# Altium PCB cheriot-test.PcbDoc (part 2 of 10) (continued)
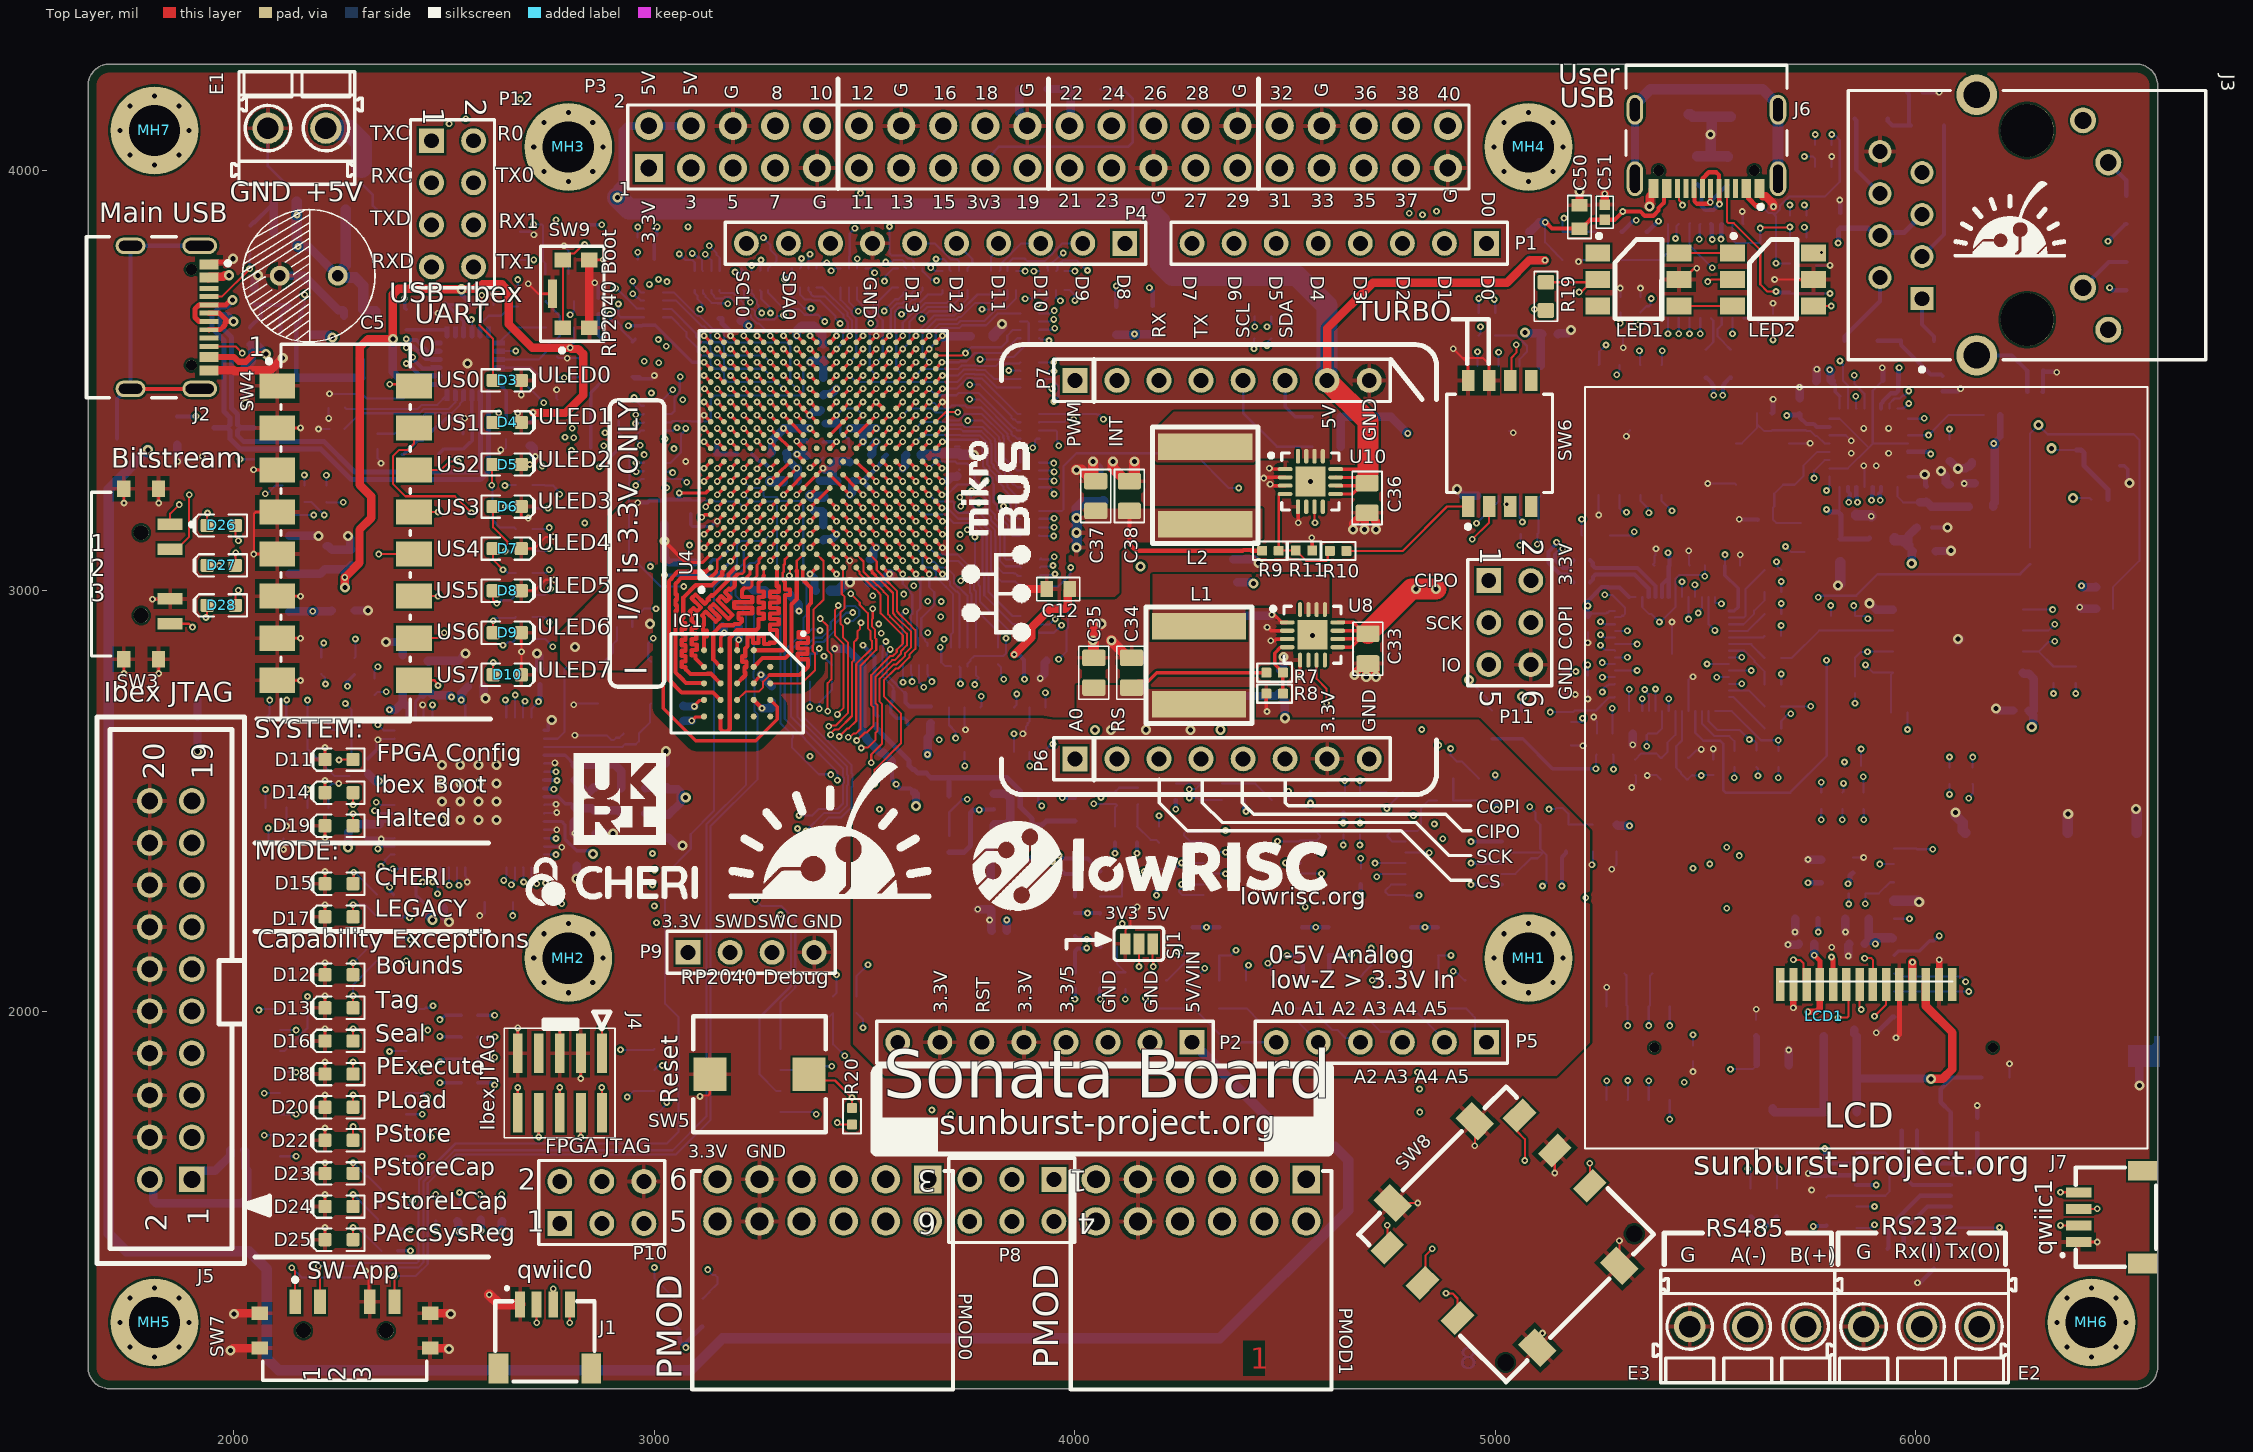
[diagram p0: Top Layer view]
## Footprints (in the part's own frame and the unit in brackets; to place one, negate y for a bottom-side part, rotate by r counter-clockwise, add the part's x,y. Pads: shape width x height; smd on the part's side, far side on the other; paste and mask are expansions set on the pad) (continued)
SJ_3S_NC12 [mil] "3-Way Solder Jumper, pads 1-2 closed"
  rect 25x50 smd: 1(-32.43,0) 2(0,0)
  rect 25x50 smd paste-393.7: 3(32.44,0)
  silkscreen extent -60,-39 59,39
SM04B-SRSS-TB(LFSN) [mm]
  rect 0.6x1.55 smd: 1(1.5,4.661) 2(2.5,4.661) 3(3.5,4.661) 4(4.5,4.661)
  rect 1.2x1.8 smd: 5(0.2,0.786) 6(5.8,0.786)
  silkscreen extent 0,0 6,5.7, body extent 0,0.28 6,5.23, height 2.97
SOIC8_NARROW [mm] "SOIC, 8-Leads, Body 5x4mm, Pitch 1.27mm, IPC Low Density"
  rrect15% 1.65x0.65 smd: 1(-2.825,1.905) 2(-2.825,0.635) 3(-2.825,-0.635) 4(-2.825,-1.905) 5(2.825,-1.905) 6(2.825,-0.635) 7(2.825,0.635) 8(2.825,1.905)
  silkscreen extent -2.95,-2.5 1.6,2.91, body extent -3,-2.45 3,2.45, height 1.63
SOT23-5P95_285X145L45X40 [mm] "Small Outline Transistor (SOT23), 0.95 mm pitch; 5 pin, 3.00 mm L X 1.60 mm W X 1.45 mm H body"
  rrect50% 0.6x1.05 smd: 1(-0.95,-1.35) 2(0,-1.35) 3(0.95,-1.35) 4(0.95,1.35) 5(-0.95,1.35)
  silkscreen extent -1.55,-0.85 1.55,0.85, body extent -1.5,-1.43 1.5,1.43, height 1.45
SOT95P237X112-3N [mm] "SOT23, 3-Leads, Body 2.92x2.37mm, Pitch 0.95mm, IPC Medium Density"
  rect 1x0.6 smd: 1(-1.2,0.95) 2(-1.2,-0.95) 3(1.2,0)
  silkscreen extent -1.32,-1.5 0.7,1.92, body extent -1.32,-1.52 1.32,1.52, height 1.12
SOT95P245X110-3M [mm] "SOT23, 3-Leads, Body 2.90x2.45mm, Pitch 0.95mm, IPC Low Density"
  rect 1.2x0.65 smd: 1(-1.3,0.95) 2(-1.3,-0.95) 3(1.3,0)
  silkscreen extent -1.42,-1.5 0.7,1.95, body extent -1.3,-1.5 1.3,1.5, height 1.1
SOT95P280X145-6N [mm] "SOT23, 6-Leads, Body 2.90x2.80mm, Pitch 0.95mm, IPC Medium Density"
  rect 1x0.6 smd: 1(-1.35,0.95) 2(-1.35,0) 3(-1.35,-0.95) 4(1.35,-0.95) 5(1.35,0) 6(1.35,0.95)
  silkscreen extent -1.47,-1.5 0.45,1.93, body extent -1.45,-1.5 1.45,1.5, height 1.45
SOT143B [mm] "SOT143, 4-Leads, Body 2.92x2.37mm, Pitch 1.90mm, IPC Medium Density"
  rect 1x1 smd: 1(-1.2,0.75)
  rect 1x0.6 smd: 2(-1.2,-0.95) 3(1.2,-0.95) 4(1.2,0.95)
  silkscreen extent -1.3,-1.5 0.7,1.65, body extent -1.18,-1.52 1.18,1.52, height 1.2
SOT-223 [mm] "SOT223, 4-Leads, Body 6.50x7.00mm (avg), Pitch 2.30mm, IPC Medium Density"
  rect 2.15x1 smd: 1(-2.925,2.3) 2(-2.925,0) 3(-2.925,-2.3)
  rect 2.15x3.25 smd: 4(2.925,0)
  silkscreen extent -3.05,-3.35 1.55,3.47, body extent -3.5,-3.35 3.5,3.35, height 1.8
TSSOP-ST14_M [mm] "TSOP, 14-Leads, Body 5x4.4mm, Pitch 0.65mm, IPC Low Density"
  oval 2x0.35 smd: 1(-2.9,1.95) 2(-2.9,1.3) 3(-2.9,0.65) 4(-2.9,0) 5(-2.9,-0.65) 6(-2.9,-1.3) 7(-2.9,-1.95) 8(2.9,-1.95) 9(2.9,-1.3) 10(2.9,-0.65) 11(2.9,0) 12(2.9,0.65) 13(2.9,1.3) 14(2.9,1.95)
  silkscreen extent -3.02,-2.55 1.5,2.8, body extent -2.25,-2.55 2.25,2.55, height 1.2
WS2813B_5x5 [mm]
  rect 1.5x1 smd: 1(-2.45,1.6) 2(-2.45,0) 3(-2.45,-1.6) 4(2.45,-1.6) 5(2.45,0) 6(2.45,1.6)
  silkscreen extent -2.5,-2.39 1.44,2.75
WSON68_Micron [mm]
  rect 1.061x0.392 smd paste+0 mask+0: 1(-3.926,1.905)
  rrect100% 1.061x0.392 smd paste+0 mask+0: 2(-3.926,0.635) 3(-3.926,-0.635) 4(-3.926,-1.905) 5(3.926,-1.905) 6(3.926,-0.635) 7(3.926,0.635) 8(3.926,1.905)
  rect 3.5x4.4 smd paste-1000 mask+0: 9(0,0)
  silkscreen extent -5.38,-3 4,3, body extent -4,-3 4,3, height 0.8

## Part data
C1 C2 C3 C11 C12 C13 C19 C20 C28 C29 C30 C32 C39 C41 C110 C111 C121: library part CCHIP-2u2-0603, "2u2, 0603", Case-EIA=0603, Case-Metric=1608, Manufacture 1=Samsung, Manufacture Part Number 1=CL10B225KP8NNNC, Rated Voltage=10VDC, Supplier Part Number 1=1276-1134-2-ND, Component Group=Capacitor, Component Type=Standard, Mounting Technology=SMT, Part Number=CCHIP-2u2-0603, Pin Count=2, Supplier 1=Digi-Key
C4 C6 C7 C8 C9 C10 C14 C15 C16 C17 C18 C21 C22 C23 C24 C25 C26 C27 C43 C44 C46 C48 C49 C51 C53 C54 C55 C56 C60 C61 C62 C63 C64 C65 C66 C67 C68 C71 C74 C75 C79 C80 C83 C84 C85 C86 C87 C88 C89 C90 C91 C94 C97 C99 C102 C112 C114 C116 C117 C118 C119 C120 C122 C134 C135 C136 C137 C138 C139 C140 C141 C142: library part CCHIP-100n-0402, "100n, 0402", Case-EIA=0402, Manufacture Part Number 1=CGA2B3X7R1V104K050BB, Supplier Part Number 1=445-6901-1-ND, Component Group=Capacitor, Component Type=Standard, Mounting Technology=SMT, Part Number=CCHIP-100n-0402, Pin Count=2, Supplier 1=Digi-Key
C5: library part Cap_16v_680uF, "Aluminum electrolytic 680uF, 8x16mm, radial", Component Group=Capacitor, Component Type=Standard, Mounting Technology=Through-hole, Part Number=Cap_16v_680uF, Pin Count=2, PP Material Stack=0, PP Rotation=0
C31 C40 C127 C128 C129 C130 C131 C132 C133: library part CCHIP-100n-0402, "100n, 0402", Case-EIA=0402, Supplier Part Number 1=445-6901-1-ND, Component Group=Capacitor, Component Type=Standard, Mounting Technology=SMT, Part Number=CCHIP-100n-0402, Pin Count=2, Supplier 1=Digi-Key
C33 C34 C35 C36 C37 C38: library part CCHIP-22u-0805-16V, "22u, 16V, 0805, Ceramic", Case-EIA=0805, Case-Metric=1608, Manufacture 1="Samsung Electro-Mechanics", Manufacture Part Number 1=CL21A226MOCLRNC, Rated Voltage=16VDC, Supplier Part Number 1=1276-6780-1-ND, Tolerance=20%, Component Group=Capacitor, Component Type=Standard, Mounting Technology=SMT, Part Number=CCHIP-22u-0805-16V, Pin Count=2, RoHS=Yes, Supplier 1=Digi-Key
C42 C45 C47 C57 C81 C82: library part CCHIP-1u-0603, "1u, 0603, 50V", Case-EIA=0603, Case-Metric=1608, Manufacture Part Number 1=CL10A105KB8NNNC, Rated Voltage=50VDC, Supplier Part Number 1=1276-1860-1-ND, Component Group=Capacitor, Component Type=Standard, Mounting Technology=SMT, Part Number=CCHIP-1u-0603, Pin Count=2, Supplier 1=Digi-Key
C50 C69 C70 C72 C73 C76 C100 C101 C123 C124 C125 C126: library part CCHIP-2u2-0603, "2u2, 0603", Case-EIA=0603, Case-Metric=1608, Manufacture 1=Samsung, Manufacture Part Number 1=CL10B225KP8NNNC, Rated Voltage=10VDC, Supplier Part Number 1=1276-1134-1-ND, Component Group=Capacitor, Component Type=Standard, Mounting Technology=SMT, Part Number=CCHIP-2u2-0603, Pin Count=2, Supplier 1=Digi-Key
C52: library part CCHIP-100n-0603, "100n, 0603", Case-EIA=0603, Case-Metric=1608, Manufacture 1=Kemet, Manufacture Part Number 1=C0603C104K5RACTU, Rated Voltage=50VDC, Supplier Part Number 1=399-5089-2-ND, Component Group=Capacitor, Component Type=Standard, Mounting Technology=SMT, Part Number=CCHIP-100n-0603, Pin Count=2, Supplier 1=Digi-Key
C58: library part CCHIP-2u2-0603-25V, "2u2, 0603", Case-EIA=0603, Case-Metric=1608, Manufacture 1="Murata Electronics North America", Manufacture Part Number 1=GRM188R61E225MA12D, Rated Voltage=25VDC, Supplier Part Number 1=490-12738-1-ND, Tolerance=±20%, Component Group=Capacitor, Component Type=Standard, Mounting Technology=SMT, Part Number=CCHIP-2u2-0603-25V, Pin Count=2, RoHS=Yes, Supplier 1=Digi-Key
C59: library part CCHIP-470n-0603-50V, "470n, 0603, 50V", Case-EIA=0603, Manufacture 1="Taiyo Yuden", Manufacture Part Number 1=UMK107B7474KA-TR, Rated Voltage=50VDC, Supplier Part Number 1=587-3170-1-ND, Temperature Range="-55C to 125C", Component Group=Capacitor, Component Type=Standard, Mounting Technology=SMT, Part Number=CCHIP-470n-0603-50V, Pin Count=2, RoHS=Yes, Supplier 1=Digi-Key
C77 C78 C92 C93 C95 C96 C108 C109: library part CCHIP-18p-0402, "18p, 0402", Case-EIA=0402, Manufacture Part Number 1=GRM1555C1H180JA01D, Supplier Part Number 1=490-5858-1-ND, Component Group=Capacitor, Component Type=Standard, Mounting Technology=SMT, Part Number=CCHIP-18p-0402, Pin Count=2, Supplier 1=Digi-Key
C98 C103 C104 C105 C106 C107: library part CCHIP-24p-0402, "24p, 0402", Case-EIA=0402, Case-Metric=1005, Manufacture 1="Murata Electronics", Manufacture Part Number 1=GCM1555C1H240FA16D, Rated Voltage=50V, Supplier Part Number 1=490-GCM1555C1H240FA16DTR-ND, Component Group=Capacitor, Component Type=Standard, Mounting Technology=SMT, Part Number=CCHIP-24p-0402, Pin Count=2, RoHS=Yes, Supplier 1=Digi-Key
C113 C115: library part CCHIP-2u2-0603-16V, "2u2, 0603", Case-EIA=0603, Case-Metric=1608, Manufacture 1="Taiyo Yuden", Manufacture Part Number 1=EMK107BJ225KA-T, Rated Voltage=16VDC, Supplier Part Number 1=587-1430-1-ND, Component Group=Capacitor, Component Type=Standard, Mounting Technology=SMT, Part Number=CCHIP-2u2-0603-16V, Pin Count=2, Supplier 1=Digi-Key
D3 D6: library part LEDCHIP_0603_BLUE, "Chip LED, Blue", Manufacture 1=Kingbright, Manufacture Part Number 1=APT1608QBC/D, Supplier Part Number 1=754-1434-1-ND, Component Group=Optical, Component Type=Standard, Mounting Technology=SMT, Part Number=LEDCHIP_0603_BLUE, Pin Count=2, Supplier 1=Digi-Key
D4 D7 D9 D11 D14 D15 D26 D27 D28: library part LEDCHIP_0603_GREEN, "Chip LED, Green", Manufacture 1=Kingbright, Manufacture Part Number 1=APT1608CGCK, Supplier Part Number 1=754-1116-1-ND, Component Group=Optical, Component Type=Standard, Mounting Technology=SMT, Part Number=LEDCHIP_0603_GREEN, Pin Count=2, PP Material Stack=16, PP Rotation=-90, Supplier 1=Digi-Key
D5 D8 D10 D12 D13 D16 D17 D18 D19 D20 D22 D23 D24 D25: library part LEDCHIP_0603_RED, "Chip LED, Red", Manufacture 1=Kingbright, Manufacture Part Number 1=APT1608SURCK, Supplier Part Number 1=754-1123-1-ND, Component Group=Optical, Component Type=Standard, Mounting Technology=SMT, Part Number=LEDCHIP_0603_RED, Pin Count=2, PP Material Stack=15, PP Rotation=-90, Supplier 1=Digi-Key
E1: library part CMP-1559-01633-1, "OMNIMATE Signal - series PS", Colour=Orange, Manufacturer=Weidmueller, Rated_current_use_group_B_UL_1059="10 A", Rated_voltage_for_surge_voltage_class_pollution_degree_II_2="320 V", Rated_voltage_use_group_B_UL_1059="300 V", UL_94_flammability_rating=V-0, ComponentLink1Description="Manufacturer URL", ComponentLink1URL=http://www.weidmueller.com/, ComponentLink2Description="URL Link1", ComponentLink2URL=http://catalog.weidmueller.com/catalog/Start.do?localeId=en&ObjectID=1912320000, Contact_material=Cu-Leg, Contact_surface=tinned, Insulating_material="Wemid (PA)", Mounting_onto_the_PCB="Solder connection", No_of_poles=2, PackageReference=PS_3_5_90_02, Packaging=Box, PartNumber=1912320000, Pitch_inch="0,138 inch", Pitch_mm="3,5 mm", Qty="100 PCS", Revision=V1, Short_text_for_material="PS 3.50/02/90 3.5SN OR BX", Side_termination_characteristic="closed side", Solder_pin_length_mm="3,5 mm", Solid_max_H05_07_V_U="1,5 mm²", Solid_min_H05_07_V_U="0,2 mm²", Wire_cross_section_AWG_max_UL_1059="AWG 16", Wire_cross_section_AWG_min_UL_1059="AWG 28"
E2 E3: library part CMP-1559-01636-1, "OMNIMATE Signal - series PS", Colour=Orange, Manufacturer=Weidmueller, Rated_current_use_group_B_UL_1059="10 A", Rated_voltage_for_surge_voltage_class_pollution_degree_II_2="320 V", Rated_voltage_use_group_B_UL_1059="300 V", UL_94_flammability_rating=V-0, ComponentLink1Description="Manufacturer URL", ComponentLink1URL=http://www.weidmueller.com/, ComponentLink2Description="URL Link1", ComponentLink2URL=http://catalog.weidmueller.com/catalog/Start.do?localeId=en&ObjectID=1912330000, Contact_material=Cu-Leg, Contact_surface=tinned, Insulating_material="Wemid (PA)", Mounting_onto_the_PCB="Solder connection", No_of_poles=3, PackageReference=PS_3_5_90_03, Packaging=Box, PartNumber=1912330000, Pitch_inch="0,138 inch", Pitch_mm="3,5 mm", Qty="100 PCS", Revision=V1, Short_text_for_material="PS 3.50/03/90 3.5SN OR BX", Side_termination_characteristic="closed side", Solder_pin_length_mm="3,5 mm", Solid_max_H05_07_V_U="1,5 mm²", Solid_min_H05_07_V_U="0,2 mm²", Wire_cross_section_AWG_max_UL_1059="AWG 16", Wire_cross_section_AWG_min_UL_1059="AWG 28"
IC1: "Integrated Circuit", Manufacturer_Name=Winbond, Mouser Part Number=454-W956D8MBYA5I, Datasheet Link=https://www.winbond.com/hq/search-resource-file.jsp?partNo=W956D8MBYA5I&type=datasheet, Height=1.2mm, Manufacturer_Part_Number=W956D8MBYA5I, Mouser Price/Stock=https://www.mouser.co.uk/ProductDetail/Winbond/W956D8MBYA5I?qs=YwPsRIUVAOcvNB%2FM4WBgTQ%3D%3D
J1 J7: "Connector", Arrow Part Number=SM04B-SRSS-TB(LF)(SN), Manufacturer_Name="JST (JAPAN SOLDERLESS TERMINALS)", Arrow Price/Stock=https://www.arrow.com/en/products/sm04b-srss-tb-lf-sn/jst-manufacturing?region=europe, Datasheet Link=http://www.jst-mfg.com/product/pdf/eng/eSH.pdf, Manufacturer_Part_Number=SM04B-SRSS-TB(LF)(SN)
J2 J6: library part CMP-245163-000001-1, "CONN RCPT USB2.0 TYPEC 5A", Current Rating=5/6.25/1.25/0.25A, Manufacturer=GCT, Package=0, Temperature="-40°C to +85°C", Temperature Range High=+85°C, Temperature Range Low=-40°C, Voltage Rating=20V, Automotive=No, Category=Conn, ComponentLink2Description=Datasheet, ComponentLink2URL=https://gct.co/files/drawings/usb4105.pdf, Conn Orientation="Right Angle", Contact Material=Gold,Nickel, Device Class L1=Connectors, Device Class L2="USB Connectors", Device Class L3=unset, Digikey Description="CONN RCPT USB2.0 TYPEC 5A", Height=3.46mm, Is Female=yes, Lead Free=Yes, Manufacturer Part Number=USB4105-GF-A, Number of Contacts=16, Octopart=https://octopart.com/usb4105-gf-a-gct-106627878, RoHS=TRUE, Usb Standard="USB 2.0"
J3: library part CMP-16436-000005-1, "CONN JACK 1PORT 100 BASE-TX PCB", Color=Green, Current Rating=8mA, Max Operating Temperature=70°C, Min Operating Temperature=0°C, Package Quantity=30, Connector Type=RJ45, Contact Material=Bronze, Contact Plating=Gold, Depth=21.59mm, Direction=Down, Gender=Female, Housing Material=Thermoplastic, Lead Free="Lead Free", Length=16.26mm, Mount="Through Hole", Number of Contacts=8, Number of Cores per Jack=4, Number of Ports=1, Number of Positions Loaded=8, Number of Rows=1, Orientation="Right Angle", Packaging=Rail/Tube, Pitch=2.54mm, Radiation Hardening=No, Series="STARJACK™ J00", Shielding=Shielded, Termination=Solder
J4: library part Cortex_Debug_Header_10Pin, "10 Pin Cortex Program & Debug 0.5mm pitch", Manufacture Part Number 1=20021121-00010C4LF, Supplier Part Number 1=609-3695-1-ND, Component Group=Connector, Component Type=Standard, Mounting Technology=SMT, Part Number=Cortex_Debug_Header_10Pin, Pin Count=10, PP Material Stack=0, PP Rotation=0, RoHS=Yes, Supplier 1=Digi-Key
J5: library part CONN20_2ROW, "Header, 2-Row, 20-pin, 0.1\"", Component Group=Connector, Component Type=Standard, Mounting Technology=SMT, Part Number=CONN20_2ROW, Pin Count=20
L1 L2: library part NR6028T4R7M, "fixed ind, ferrite, shielded", Case-Metric=6060, Manufacture 1="Taiyo Yuden", Supplier Part Number 1=587-2100-1-ND, Component Group=Inductor, Component Type=Standard, Manufacture Part Number 1=NR6028T4R7M, Mounting Technology=SMT, Part Number=NR6028T4R7M, Pin Count=2, Supplier 1=Digi-Key
L3: library part FBCHIP-600R-0603, "600 Ohm @ 100 MHz, 0.5A rated FB", Case-EIA=0603, Case-Metric=1608, Manufacture 1="Murata Electronics", Manufacture Part Number 1=BLM18AG601SN1D, Rated Power=0.5A, Supplier Part Number 1=490-1014-2-ND, Component Group=Inductor, Component Type=Standard, Part Number=FBCHIP-600R-0603, Pin Count=2, PP Material Stack=0, PP Rotation=0, Supplier 1=Digi-Key
L5 L6 L7 L8 L9: library part FBCHIP-1k-0603, "Ferrite Beads HI CUR CHIP BD 0603 1000OHMS 25%", Manufacture 1="Taiyo Yuden", Manufacture Part Number 1="FBMH1608HM102-T / FBMH1608HM102-T / FBMH1608HM102-T / FBMH1608HM102-T", Supplier Part Number 1=963-FBMH1608HM102-T, Component Group=Inductor, Component Type=Standard, Mounting Technology=SMT, Part Number=FBCHIP-1k-0603, Pin Count=2, PP Material Stack=0, PP Rotation=0, RoHS=Yes, Supplier 1=Mouser
LCD1: library part LCD1.8INCH_ADAFRUIT618, Component Group=Optical, Component Type=Standard, Part Number=LCD1.8INCH_ADAFRUIT618, Pin Count=14, PP Material Stack=0, PP Rotation=0, PP Rotation1=0
LED1 LED2: library part WS2813B_5x5, "WS2813B, 5x5 SMD Neopixel", Manufacture 1="Seeed Studio", Manufacture Part Number 1=601000200, Component Group=Optical, Component Type=Standard, Part Number=WS2813B_5x5, Pin Count=6, PP Material Stack=0, PP Rotation=0, PP Rotation1=0
MH1 MH2 MH3 MH4 MH5 MH6 MH7: library part MOUNT_M3_TIGHT, "Machine screw M3 Mounting Hole", Component Group=Mechanical, Component Type=Mechanical, Part Number=MOUNT_M3_TIGHT, Pin Count=1, PP Material Stack=0, PP Rotation=0
P1 P2 P6 P7: "Header, 8-Pin", LatestRevisionDate=17-Jul-2002, LatestRevisionNote="Re-released for DXP Platform.", Publisher="Altium Limited"
P3: "Header, 20-Pin, Dual row", LatestRevisionDate=17-Jul-2002, LatestRevisionNote="Re-released for DXP Platform.", Publisher="Altium Limited"
P4: "Header, 10-Pin", LatestRevisionDate=17-Jul-2002, LatestRevisionNote="Re-released for DXP Platform.", Publisher="Altium Limited"
P5: "Header, 6-Pin", LatestRevisionDate=17-Jul-2002, LatestRevisionNote="Re-released for DXP Platform.", Publisher="Altium Limited"
P8 P10 P11: "Header, 3-Pin, Dual row", LatestRevisionDate=17-Jul-2002, LatestRevisionNote="Re-released for DXP Platform.", Publisher="Altium Limited"
P9: "Header, 4-Pin", LatestRevisionDate=17-Jul-2002, LatestRevisionNote="Re-released for DXP Platform.", Publisher="Altium Limited"
P12: "Header, 4-Pin, Dual row", LatestRevisionDate=17-Jul-2002, LatestRevisionNote="Re-released for DXP Platform.", Publisher="Altium Limited"
PMOD0 PMOD1: library part PMOD_2ROW_FEMALERATH, Supplier Part Number 1=SAM1215-06-ND, Component Group=Connector, Component Type=Standard, Part Number=PMOD_2ROW_FEMALERATH, Pin Count=12, PP Material Stack=0, PP Rotation=0, PP Rotation1=0, Supplier 1=Digi-Key
Q1 Q4 Q5: "P-Channel, 3A, Logic Level", Manufacture 1="Diodes Inc.", Supplier Part Number 1=DMP2123LQ-7DICT-ND, Component Group=MOSFET, Component Type=Standard, Manufacture Part Number 1=DMP2123LQ-7, Mounting Technology=SMT, Part Number=DMP2123LQ-7, Pin Count=3, Supplier 1=Digi-Key
Q2: "MOSFET N-CH 30V 2.2A SOT23-3", Manufacture 1="Diodes Inc.", Rated Power=3A, Rated Voltage=30V, Supplier Part Number 1=DMN3200U-7DICT-ND, Component Group=MOSFET, Component Type=Standard, Manufacture Part Number 1=DMN3200U-7, Mounting Technology=SMT, Part Number=DMN3200U-7, Pin Count=3, PP Material Stack=0, PP Rotation=0, RoHS=Yes, Supplier 1=Digi-Key
Q3: library part DMN3200U-7, "MOSFET N-CH 30V 2.2A SOT23-3", Rated Power=0.22A, Rated Voltage=30V, Component Group=MOSFET, Component Type=Standard, Manufacture Part Number 1=BSS138, Mounting Technology=SMT, Part Number=BSS138, Pin Count=3, PP Material Stack=0, PP Rotation=0, RoHS=Yes, Supplier 1=Digi-Key
R1 R4: library part RCHIP-5K1-0603, "5k1 res, 0603, 1%, 1/10W", Case-EIA=0603, Case-Metric=1608, Manufacture 1=Yageo, Manufacture Part Number 1=RC0603FR-075K1L, Rated Power=0.1W, Rated Voltage=75VDC, Supplier Part Number 1=311-5.10KHRCT-ND, Temperature Range="-55C to 155C", Tolerance=1%, Component Group=Resistor, Component Type=Standard, Mounting Technology=SMT, Part Number=RCHIP-5K1-0603, Pin Count=2, Supplier 1=Digi-Key
R2 R10 R12 R13 R118 R119 R120 R121 R135: library part RCHIP-100K-0402, "100k res, 0402, 1%, 1/16W", Case-EIA=0402, Case-Metric=1005, Manufacture 1=Yageo, Manufacture Part Number 1=RC0402FR-07100KL, Rated Power=0.063W, Rated Voltage=75VDC, Supplier Part Number 1=311-100KLRCT-ND, Temperature Range="-55C to 155C", Tolerance=1%, Component Group=Resistor, Component Type=Standard, Mounting Technology=SMT, Part Number=RCHIP-100K-0402, Pin Count=2, Supplier 1=Digi-Key
R3 R7 R9 R14 R20 R30 R32 R45 R46 R54 R62 R64 R67 R71 R133 R160 R161 R162 R163 R164 R165 R166 R199 R205 R211: library part RCHIP-10K-0402, "10k res, 0402, 1%, 1/16W", Case-EIA=0402, Case-Metric=1005, Manufacture 1=Yageo, Manufacture Part Number 1=RC0402FR-0710KL, Rated Power=0.063W, Rated Voltage=75VDC, Supplier Part Number 1=311-10.0KLRCT-ND, Temperature Range="-55C to 155C", Tolerance=1%, Component Group=Resistor, Component Type=Standard, Mounting Technology=SMT, Part Number=RCHIP-10K-0402, Pin Count=2, Supplier 1=Digi-Key
R5 R6 R21 R39 R134 R136 R137: library part RCHIP-1K-0603, "1k res, 0603, 1%, 1/10W", Case-EIA=0603, Case-Metric=1608, Manufacture 1=Yageo, Manufacture Part Number 1=RC0603FR-071KL, Rated Power=0.1W, Rated Voltage=75VDC, Supplier Part Number 1=311-1.00KHRCT-ND, Temperature Range="-55C to 155C", Tolerance=1%, Component Group=Resistor, Component Type=Standard, Mounting Technology=SMT, Part Number=RCHIP-1K-0603, Pin Count=2, Supplier 1=Digi-Key
R8 R44: library part RCHIP-2K2-0402, "2k2 res, 0402, 1%, 1/16W", Case-EIA=0402, Case-Metric=1005, Manufacture 1=Yageo, Manufacture Part Number 1=RC0402FR-072K2L, Rated Power=0.063W, Rated Voltage=75VDC, Supplier Part Number 1=311-2.20KLRCT-ND, Temperature Range="-55C to 155C", Tolerance=1%, Component Group=Resistor, Component Type=Standard, Mounting Technology=SMT, Part Number=RCHIP-2K2-0402, Pin Count=2, Supplier 1=Digi-Key
R11: library part RCHIP-15K-0402, "15k res, 0402, 1%, 1/16W", Case-EIA=0402, Case-Metric=1005, Manufacture 1=Yageo, Manufacture Part Number 1=RC0402FR-0715KL, Rated Power=0.063W, Rated Voltage=75VDC, Supplier Part Number 1=311-15.0KLRCT-ND, Temperature Range="-55C to 155C", Tolerance=1%, Component Group=Resistor, Component Type=Standard, Mounting Technology=SMT, Part Number=RCHIP-15K-0402, Pin Count=2, Supplier 1=Digi-Key
R15 R17 R18 R72 R75 R84 R91 R98 R105 R112: library part RCHIP-100K-0603, "100k res, 0603, 1%, 1/10W", Case-EIA=0603, Case-Metric=1608, Manufacture 1=Yageo, Manufacture Part Number 1=RC0603FR-07100KL, Rated Power=0.1W, Rated Voltage=75VDC, Supplier Part Number 1=311-100KHRCT-ND, Temperature Range="-55C to 155C", Tolerance=1%, Component Group=Resistor, Component Type=Standard, Mounting Technology=SMT, Part Number=RCHIP-100K-0603, Pin Count=2, Supplier 1=Digi-Key
R16: library part RCHIP-12K-0402, "12k res, 0402, 1%, 1/16W", Case-EIA=0402, Case-Metric=1005, Manufacture 1=Yageo, Manufacture Part Number 1=RC0402FR-0712KL, Rated Power=0.063W, Rated Voltage=75VDC, Supplier Part Number 1=311-12.0KLRCT-ND, Temperature Range="-55C to 155C", Tolerance=1%, Component Group=Resistor, Component Type=Standard, Mounting Technology=SMT, Part Number=RCHIP-12K-0402, Pin Count=2, Supplier 1=Digi-Key
R19 R122 R123 R124: library part RCHIP-0R-0603, "0R, 0603, 1/10W", Case-EIA=0603, Case-Metric=1608, Manufacture 1=Yageo, Manufacture Part Number 1=RC0603FR-070RL, Rated Power=0.1W, Rated Voltage=75VDC, Supplier Part Number 1=311-0.0HRCT-ND, Temperature Range="-55C to 155C", Tolerance=1%, Component Group=Resistor, Component Type=Standard, Mounting Technology=SMT, Part Number=RCHIP-0R-0603, Pin Count=2, Supplier 1=Digi-Key
R22 R24 R26 R28 R34 R35 R36 R41 R208 R209 R213: library part RCHIP-DNM-0603, "Do Not Mount Resistor", Case-EIA=0603, Case-Metric=1608, Component Group=Resistor, Component Type=Standard, Mounting Technology=SMT, Part Number=RCHIP-DNM-0603, Pin Count=2
R23: library part RCHIP-47K-0402, "47k res, 0402, 1%, 1/16W", Case-EIA=0402, Case-Metric=1005, Manufacture 1=Yageo, Manufacture Part Number 1=RC0402FR-0747KL, Rated Power=0.063W, Rated Voltage=75VDC, Supplier Part Number 1=311-47.0KLRCT-ND, Temperature Range="-55C to 155C", Tolerance=1%, Component Group=Resistor, Component Type=Standard, Mounting Technology=SMT, Part Number=RCHIP-47K-0402, Pin Count=2, Supplier 1=Digi-Key
R25: library part RCHIP-22K-0402, "22k res, 0402, 1%, 1/16W", Case-EIA=0402, Case-Metric=1005, Manufacture 1=Yageo, Manufacture Part Number 1=RC0402FR-0722KL, Rated Power=0.063W, Rated Voltage=75VDC, Supplier Part Number 1=311-22.0KLRCT-ND, Temperature Range="-55C to 155C", Tolerance=1%, Component Group=Resistor, Component Type=Standard, Mounting Technology=SMT, Part Number=RCHIP-22K-0402, Pin Count=2, Supplier 1=Digi-Key
R27 R29: library part RCHIP-33R-0603, "33R res, 0603, 1%, 1/10W", Case-EIA=0603, Case-Metric=1608, Manufacture 1=Yageo, Manufacture Part Number 1=RC0603FR-0733RL, Rated Power=0.1W, Rated Voltage=75VDC, Supplier Part Number 1=311-33.0HRCT-ND, Temperature Range="-55C to 155C", Tolerance=1%, Component Group=Resistor, Component Type=Standard, Mounting Technology=SMT, Part Number=RCHIP-33R-0603, Pin Count=2, Supplier 1=Digi-Key